# Allegro board RK_NVR_DEMO1_RK3588_LP4XD200P232SD8_V21_20211228_final_lint.brd (continued)
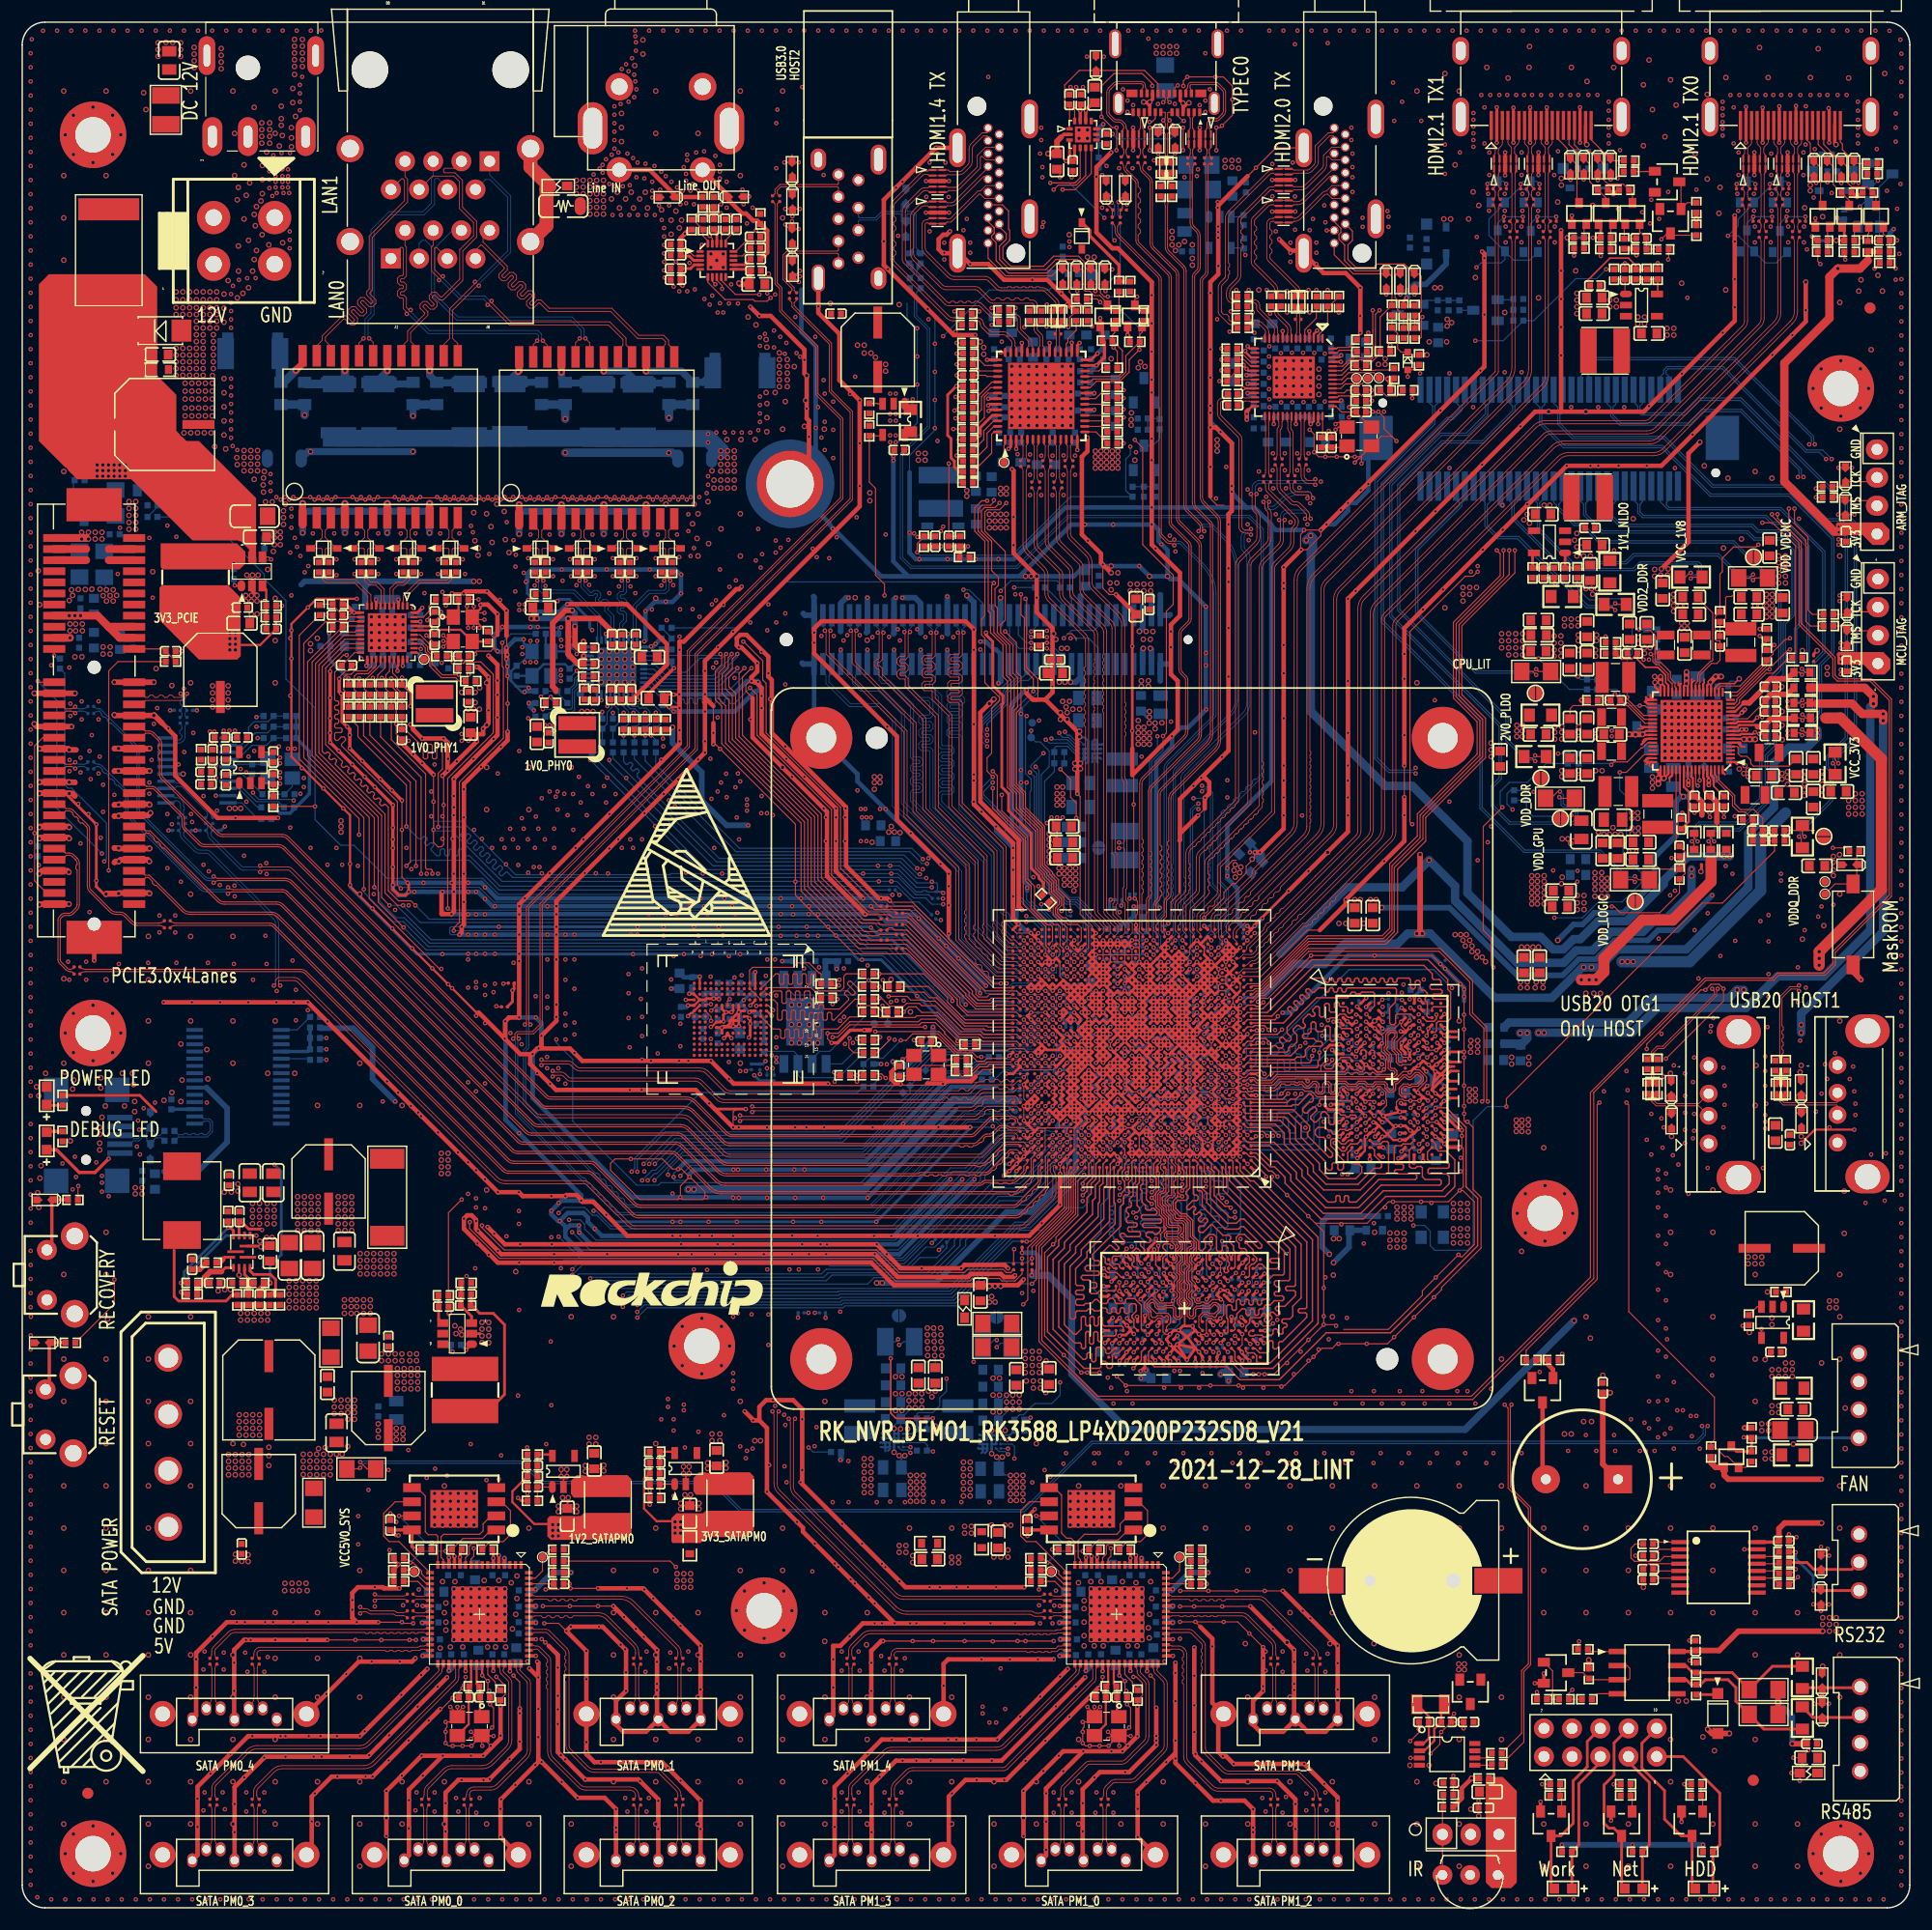
[diagram p0: board, top side]
## Routing (per net, layer and track width the routed paths; a pad name or vN(x,y) marks a point on that pad's centre or on a via; arc(x,y) is an arc through that point) (continued)
HDMI1_TX0P_PORT/EDP1_TX_D0P: length 77.2
  TOP w0.076: C1716.1 135.61,153.45 arc(135.7,153.33) 135.73,153.18 135.73,138.75 arc(135.59,138.08) 135.22,137.51 117.38,119.67 arc(117.12,119.28) 117.02,118.81 117.02,97.78 arc(116.91,97.22) 116.59,96.74 108.62,88.77 arc(108.52,88.61) 108.48,88.43 108.48,88.03 108.77,87.74 U1000.AN4
HDMI1_TX1N_PORT: length 10
  TOP w0.076: J5001.6 134.87,159.25 arc(134.84,159.1) 134.75,158.98 134.72,158.95 134.52,158.74 arc(134.48,158.69) 134.47,158.62 134.47,158.22 arc(134.48,158.17) 134.51,158.12 134.55,158.07 arc(134.6,158) 134.62,157.92 ED5006.6 ED5006.5 134.62,156.68 arc(134.6,156.56) 134.54,156.46 arc(134.51,156.42) 134.5,156.38 134.5,152.44 arc(134.54,152.26) 134.65,152.1 R1713.1 134.57,151.9 arc(134.52,151.82) 134.5,151.73 134.5,151.4 arc(134.53,151.28) 134.6,151.17 C1719.2
HDMI1_TX1N_PORT/EDP1_TX_D1N: length 75.1
  TOP w0.076: U1000.AN5 108.07,87.59 108.07,88.8 arc(108.1,88.94) 108.17,89.05 108.23,89.11 108.3,89.11 108.37,89.18 108.37,89.25 108.68,89.56 108.79,89.56 108.89,89.56 109.05,89.72 109.05,89.93 109.22,90.09 109.43,90.09 109.59,90.26 109.59,90.47 109.75,90.63 109.97,90.63 110.13,90.79 110.13,91.01 110.29,91.17 110.5,91.17 110.66,91.33 110.66,91.54 115.62,96.5 arc(115.92,96.95) 116.03,97.48 116.03,97.8 116.1,97.88 116.1,98.11 116.03,98.18 116.03,98.41 116.1,98.49 116.1,98.72 116.03,98.79 116.03,99.02 116.1,99.1 116.1,99.33 116.03,99.4 116.03,99.63 116.1,99.71 116.1,99.94 116.03,100.01 116.03,100.24 116.1,100.32 116.1,100.54 116.03,100.62 116.03,100.85 116.1,100.93 116.1,101.15 116.03,101.23 116.03,101.46 116.1,101.54 116.1,101.76 116.03,101.84 116.03,102.07 116.1,102.15 116.1,102.37 116.03,102.45 116.03,102.68 116.1,102.75 116.1,102.98 116.03,103.06 116.03,103.29 116.1,103.36 116.1,103.59 116.03,103.67 116.03,103.9 116.1,103.97 116.1,104.2 116.03,104.28 116.03,118.82 arc(116.16,119.49) 116.54,120.07 133.9,137.42 arc(134.35,138.09) 134.5,138.89 134.5,150.17 arc(134.55,150.4) C1719.1
HDMI1_TX1P_PORT: length 9.9
  TOP w0.076: C1718.2 134.13,151.17 arc(134.2,151.28) 134.23,151.4 134.23,151.73 arc(134.21,151.82) 134.16,151.9 R1714.1 134.08,152.1 arc(134.19,152.26) 134.23,152.44 134.23,156.09 134.23,156.31 arc(134.22,156.36) 134.19,156.41 arc(134.13,156.48) 134.12,156.58 ED5006.4 ED5006.7 134.12,157.97 arc(134.12,158.02) 134.15,158.06 arc(134.18,158.12) 134.19,158.18 134.19,158.6 arc(134.17,158.68) 134.12,158.75 133.96,158.92 arc(133.89,159.02) 133.87,159.15 J5001.4
HDMI1_TX1P_PORT/EDP1_TX_D1P: length 74.6
  TOP w0.076: U1000.AM5 108.12,87.13 107.79,87.46 107.79,88.8 arc(107.84,89.04) 107.97,89.25 115.42,96.7 arc(115.66,97.05) 115.75,97.48 115.75,97.48 115.75,118.82 arc(115.9,119.6) 116.35,120.27 133.7,137.62 arc(134.09,138.2) 134.23,138.89 134.23,150.17 arc(134.18,150.4) C1718.1
HDMI1_TX2N_PORT: length 7
  TOP w0.076: C1721.2 133.13,154.06 arc(133.04,154.2) 133,154.37 133,154.46 133.01,154.68 arc(133.02,154.74) 133.06,154.8 R1711.1 133.09,155.08 arc(133.03,155.17) 133.01,155.29 133.01,156.21 133,156.28 arc(133.02,156.35) 133.06,156.41 arc(133.1,156.51) 133.12,156.61 ED5006.2 ED5006.9 133.12,157.94 arc(133.11,157.98) 133.08,158.02 133.03,158.07 arc(133.01,158.1) 133,158.13 133,158.44 arc(133.02,158.54) 133.07,158.62 arc(133.08,158.62) 133.08,158.63 133.23,158.77 arc(133.33,158.93) 133.36,159.11 J5001.3
HDMI1_TX2N_PORT/EDP1_TX_D2N: length 76.2
  TOP w0.076: U1000.AP6 107.41,88.25 107.41,89.22 arc(107.44,89.33) 107.5,89.42 107.58,89.5 107.86,89.5 108.03,89.66 108.03,89.95 108.19,90.11 108.47,90.11 108.64,90.27 108.64,90.56 110.96,92.88 arc(111.06,93.03) 111.1,93.21 111.1,93.31 arc(111.11,93.39) 111.16,93.46 114.4,96.7 arc(114.76,97.24) 114.88,97.86 114.88,119.68 arc(114.98,120.19) 115.28,120.63 132.9,138.25 arc(132.98,138.37) 133,138.51 133,153.18 arc(133.03,153.33) 133.12,153.45 C1721.1
HDMI1_TX2P_PORT: length 7
  TOP w0.076: J5001.1 132.36,159.13 arc(132.4,158.98) 132.48,158.84 132.61,158.72 arc(132.63,158.69) 132.66,158.66 arc(132.71,158.56) 132.73,158.44 132.73,158.21 arc(132.71,158.13) 132.66,158.06 arc(132.63,158.01) 132.62,157.95 ED5006.10 ED5006.1 132.62,156.47 arc(132.62,156.43) 132.65,156.39 arc(132.71,156.31) 132.73,156.2 132.73,156.09 132.73,155.27 arc(132.71,155.17) 132.65,155.09 R1712.1 132.66,154.81 132.67,154.8 arc(132.71,154.74) 132.73,154.68 132.73,154.57 132.73,154.37 arc(132.69,154.2) 132.6,154.06 C1720.2
HDMI1_TX2P_PORT/EDP1_TX_D2P: length 76.6
  TOP w0.076: C1720.1 132.61,153.45 arc(132.7,153.33) 132.73,153.18 132.73,138.51 arc(132.72,138.48) 132.7,138.45 115.08,120.83 arc(114.73,120.3) 114.6,119.68 114.6,97.86 arc(114.5,97.34) 114.2,96.9 110.96,93.66 arc(110.86,93.5) 110.82,93.31 110.82,93.21 arc(110.8,93.14) 110.76,93.08 107.3,89.62 arc(107.18,89.43) 107.14,89.22 107.14,88.12 107.47,87.78 U1000.AN6
HDMI1_TX3N_PORT: length 10
  TOP w0.076: J5001.12 137.87,159.15 arc(137.85,159.05) 137.79,158.97 137.56,158.74 arc(137.55,158.73) 137.54,158.71 arc(137.52,158.67) 137.51,158.62 137.51,158.2 arc(137.53,158.12) 137.58,158.05 137.58,158.05 arc(137.61,158.01) 137.62,157.96 ED5007.6 ED5007.5 137.62,156.64 arc(137.6,156.52) 137.54,156.41 arc(137.51,156.37) 137.51,156.34 137.51,152.34 arc(137.53,152.25) 137.58,152.17 R1709.1 137.63,151.95 arc(137.54,151.82) 137.51,151.65 137.51,151.54 137.51,151.27 C1723.2
HDMI1_TX3N_PORT/EDP1_TX_D3N: length 75.3
  TOP w0.076: U1000.AN3 109.4,87.56 109.4,87.93 arc(109.41,88.02) 109.47,88.1 110.3,88.93 110.4,88.93 110.4,88.93 110.5,88.93 110.66,89.09 110.66,89.19 110.66,89.2 110.66,89.3 110.83,89.46 110.93,89.46 111.03,89.46 111.19,89.62 111.19,89.72 111.19,89.82 111.35,89.98 111.45,89.98 111.55,89.98 111.72,90.15 111.72,90.25 111.72,90.25 111.72,90.35 111.88,90.51 111.98,90.51 112.08,90.51 112.24,90.67 112.24,90.77 112.24,90.77 112.24,90.88 112.4,91.04 112.51,91.04 112.51,91.04 112.61,91.04 112.77,91.2 112.77,91.3 112.77,91.4 112.95,91.58 113.15,91.58 113.36,91.79 113.36,91.99 118.01,96.64 arc(118.33,97.12) 118.44,97.68 118.44,117.94 arc(118.53,118.38) 118.78,118.76 137.11,137.09 arc(137.4,137.53) 137.51,138.04 137.51,150.31 arc(137.53,150.41) 137.58,150.49 C1723.1
HDMI1_TX3P_PORT: length 10
  TOP w0.076: J5001.10 136.87,159.13 arc(136.88,159.07) 136.91,159.01 137.17,158.75 arc(137.19,158.74) 137.2,158.72 arc(137.23,158.66) 137.23,158.6 137.23,158.2 arc(137.22,158.13) 137.19,158.08 arc(137.14,158) 137.12,157.91 ED5007.7 ED5007.4 137.12,156.61 arc(137.13,156.53) 137.18,156.46 arc(137.21,156.41) 137.23,156.34 137.23,152.34 arc(137.21,152.25) 137.16,152.17 R1710.1 137.1,151.95 arc(137.2,151.82) 137.23,151.65 137.23,151.27 C1722.2
HDMI1_TX3P_PORT/EDP1_TX_D3P: length 75.4
  TOP w0.076: U1000.AM3 109.42,87.09 109.12,87.39 109.12,87.93 arc(109.16,88.13) 109.27,88.3 117.81,96.84 arc(118.07,97.22) 118.16,97.68 118.16,117.94 arc(118.27,118.49) 118.58,118.96 136.92,137.29 arc(137.15,137.64) 137.23,138.04 137.23,150.31 arc(137.21,150.41) 137.15,150.49 C1722.1
HDMI1_TX_CEC_PORT: length 7.8
  TOP w0.102: Q5005.3 140.09,153.88 140.09,157.12 139.57,157.64 ED5011.1 139.2,157.92 139.2,158.62 138.36,159.45 J5001.13
HDMI1_TX_HPD_PORT: length 5
  TOP w0.102: J5001.19 141.36,159.38 ED5008.1 143.25,157.5 R5016.2
HDMI1_TX_ON_H: length 117
  TOP w0.102: U1000.AK25 v1(94.8,85.91)
  L4-S1 w0.102: v1(100.86,103.78) 101.17,103.47 101.98,103.47 104.21,105.71 104.21,121.66 104.62,122.06 104.62,123.69 104.11,124.2 104.11,139.64 v1(107.67,143.2)
  L6-S2 w0.102: v1(107.67,143.2) 107.67,143.6 108.99,144.92 120.98,144.92 122.3,146.25 126.46,146.25 128.09,147.87 v1(131.04,147.87) ; v1(90.8,102.35) 91.41,102.35 92.94,103.88 100.25,103.88 100.35,103.78 v1(100.86,103.78)
  BOTTOM w0.089: v1(94.8,85.91) 94.99,85.91 95.3,86.23 95.3,86.23 95.31,86.24 95.58,86.24 95.59,86.23 95.6,86.23 95.88,86.5 95.88,88.03 95.58,88.33 95.58,88.96
  BOTTOM w0.102: Q1704.1 135.84,148.53 134.38,148.53 Q1706.1 ; v1(90.8,102.35) 91.21,101.95 91.21,97.48 91.51,97.17 91.51,93.72 92.33,92.91 92.33,92.19 94.05,90.47 94.87,90.47 95.58,89.76 95.58,88.96 ; Q1707.1 135.4,154.9 134.77,154.9 Q1705.1 133.6,153.66 132.15,152.21 132.15,150.75 Q1706.1 ; Q1706.1 133.6,148.6 133.27,148.28 131.44,148.28 v1(131.04,147.87)
HDMI1_TX_SCL_PORT: length 8.4
  TOP w0.102: J5001.15 139.36,158.97 ED5010.1 140.77,157.65 141.23,157.19 141.23,155.61 R5013.2 142.68,154.16 Q5003.3
HDMI1_TX_SDA_PORT: length 10.5
  TOP w0.102: Q5004.3 145.09,154.55 R5019.2 144.25,155.39 142.88,155.39 142.5,155.77 142.5,157.17 142.04,157.64 ED5009.1 141.14,158.44 140.34,158.44 139.87,158.91 J5001.16
HDMI2_TX0N: length 3.5
  TOP w0.076: U5100.8 114.37,141.89 114.31,141.95 114.31,142.28 arc(114.26,142.53) 114.12,142.74 114.07,142.79 113.22,143.64 arc(113.16,143.74) 113.13,143.85 113.13,143.91 arc(113.16,144.05) 113.24,144.17 R5109.1
HDMI2_TX0N_PORT: length 17.5
  TOP w0.076: R5109.2 113.25,145.46 arc(113.16,145.59) 113.13,145.74 113.13,145.84 arc(113.07,146.14) 112.9,146.39 111.09,148.21 arc(111.04,148.29) 111.02,148.38 111.02,148.48 111.22,148.69 111.22,148.92 111.02,149.12 111.02,149.35 111.22,149.55 111.22,149.78 111.02,149.98 111.02,150.21 111.22,150.41 111.22,150.64 111.02,150.85 111.02,151.08 111.22,151.28 111.22,151.51 111.02,151.71 111.02,152.04 arc(111.04,152.13) 111.09,152.21 112.31,153.42 arc(112.42,153.5) 112.55,153.52 112.76,153.52 112.87,153.41 ED5101.2 ED5101.9 114.46,153.41 114.57,153.52 114.88,153.52 arc(115.24,153.59) 115.54,153.79 117.84,156.1 117.95,156.1 J5100.9
HDMI2_TX0P: length 3.5
  TOP w0.076: R5108.1 112.75,144.17 arc(112.83,144.05) 112.85,143.91 112.85,143.85 arc(112.9,143.63) 113.02,143.44 113.87,142.59 113.92,142.54 arc(114,142.42) 114.03,142.28 114.03,141.95 113.97,141.89 U5100.9
HDMI2_TX0P_PORT: length 17.4
  TOP w0.076: J5100.7 118.22,156.87 115.34,153.99 arc(115.13,153.85) 114.88,153.8 114.57,153.8 114.46,153.91 ED5101.10 ED5101.1 112.87,153.91 112.76,153.8 112.55,153.8 arc(112.31,153.75) 112.11,153.62 112.09,153.61 110.9,152.41 arc(110.78,152.24) 110.74,152.04 110.74,148.38 arc(110.78,148.18) 110.9,148.01 112.71,146.2 arc(112.82,146.03) 112.85,145.84 112.85,145.74 arc(112.82,145.59) 112.74,145.46 R5108.2
HDMI2_TX1N: length 5.1
  TOP w0.076: R5106.1 110.54,145.11 arc(110.71,145) 110.92,144.95 111.01,144.95 arc(111.18,144.92) 111.33,144.82 111.37,144.78 arc(111.47,144.63) 111.5,144.45 111.5,144.21 arc(111.52,144.15) 111.55,144.1 112.96,142.69 arc(113.07,142.52) 113.11,142.32 113.11,141.95 113.17,141.89 U5100.11
HDMI2_TX1N_PORT: length 21.3
  TOP w0.076: R5106.2 109.26,145.02 arc(109.18,144.97) 109.09,144.95 109.06,144.95 arc(108.97,144.97) 108.89,145.03 arc(108.81,145.14) 108.79,145.27 108.79,145.55 arc(108.84,145.82) 108.99,146.04 109.59,146.64 arc(109.75,146.88) 109.8,147.16 109.8,149.48 110.01,149.69 110.01,149.91 109.8,150.12 109.8,150.35 110.01,150.55 110.01,150.78 109.8,150.98 109.8,151.21 110.01,151.41 110.01,151.64 109.8,151.84 109.8,152.14 arc(109.81,152.19) 109.84,152.23 109.88,152.27 112.27,154.65 112.43,154.82 arc(112.48,154.86) 112.55,154.87 112.76,154.87 112.87,154.76 ED5100.5 ED5100.6 114.46,154.76 114.57,154.87 115.29,154.87 arc(115.55,154.92) 115.77,155.06 117.32,156.62 arc(117.47,156.85) 117.52,157.12 117.52,157.79 117.6,157.87 117.71,157.87 118.02,157.56 J5100.6
HDMI2_TX1P: length 4.7
  TOP w0.076: R5105.1 110.54,144.52 arc(110.71,144.63) 110.92,144.68 111.01,144.68 arc(111.07,144.66) 111.13,144.62 111.17,144.59 arc(111.21,144.52) 111.22,144.45 111.22,144.21 arc(111.26,144.04) 111.35,143.9 112.76,142.5 arc(112.81,142.42) 112.83,142.32 112.83,141.95 112.77,141.89 U5100.12
HDMI2_TX1P_PORT: length 21.8
  TOP w0.076: J5100.4 118,158.71 117.24,157.96 117.24,157.12 arc(117.21,156.95) 117.12,156.81 115.57,155.26 arc(115.44,155.18) 115.29,155.15 114.57,155.15 114.46,155.26 ED5100.7 ED5100.4 112.87,155.26 112.76,155.15 112.55,155.15 arc(112.38,155.11) 112.23,155.02 112.07,154.85 109.68,152.46 109.64,152.42 arc(109.55,152.29) 109.52,152.14 109.52,147.16 arc(109.49,146.99) 109.39,146.84 108.79,146.24 arc(108.58,145.92) 108.51,145.55 108.51,145.27 arc(108.55,145.03) 108.69,144.83 arc(108.86,144.71) 109.06,144.68 109.09,144.68 arc(109.18,144.66) 109.26,144.61 R5105.2
HDMI2_TX2N: length 3.2
  TOP w0.076: U5100.13 112.37,141.89 112.31,141.95 112.31,142.08 arc(112.27,142.28) 112.16,142.45 112.13,142.48 111.74,142.87 arc(111.59,142.97) 111.43,143 111.41,143 111.31,143.1 111.08,143.1 110.98,143 110.92,143 arc(110.71,143.04) 110.54,143.16 R5104.1
HDMI2_TX2N_PORT: length 25
  TOP w0.076: J5100.3 118.22,159.65 118.14,159.73 117.8,159.73 116.79,158.72 116.79,157.41 arc(116.74,157.15) 116.59,156.93 116.18,156.53 arc(116.01,156.41) 115.8,156.37 114.57,156.37 114.46,156.26 ED5100.9 ED5100.2 112.87,156.26 112.76,156.37 112.65,156.37 arc(112.52,156.34) 112.41,156.27 108.94,152.8 108.9,152.76 arc(108.74,152.52) 108.68,152.24 108.68,148.28 108.79,148.18 108.79,147.95 108.68,147.85 108.68,147.62 108.79,147.52 108.79,147.29 108.68,147.19 108.68,147.06 arc(108.65,146.87) 108.54,146.71 108.47,146.64 108.18,146.35 arc(108.08,146.21) 108.05,146.04 108.05,143.89 arc(108.06,143.84) 108.09,143.79 108.25,143.63 108.56,143.63 108.72,143.47 108.72,143.16 108.8,143.08 arc(108.89,143.02) 108.99,143 arc(109.18,143.04) 109.33,143.14 R5104.2
HDMI2_TX2P: length 2.7
  TOP w0.076: U5100.14 111.97,141.89 112.03,141.95 112.03,142.08 arc(112.01,142.17) 111.96,142.25 111.54,142.67 arc(111.49,142.71) 111.43,142.72 110.92,142.72 arc(110.71,142.68) 110.54,142.56 R5103.1
HDMI2_TX2P_PORT: length 25.6
  TOP w0.076: J5100.1 118.22,160.08 118.14,160.01 117.68,160.01 116.51,158.83 116.51,157.41 arc(116.48,157.26) 116.39,157.13 115.99,156.72 arc(115.9,156.67) 115.8,156.65 114.57,156.65 114.46,156.76 ED5100.10 ED5100.1 112.87,156.76 112.76,156.65 112.65,156.65 arc(112.41,156.6) 112.21,156.47 108.74,153 108.7,152.96 arc(108.48,152.63) 108.41,152.24 108.41,147.06 arc(108.39,146.98) 108.34,146.91 108.27,146.84 107.98,146.54 arc(107.82,146.31) 107.77,146.04 107.77,143.89 arc(107.8,143.73) 107.89,143.6 108.69,142.8 arc(108.77,142.74) 108.87,142.72 108.99,142.72 arc(109.17,142.69) 109.32,142.58 R5103.2
HDMI2_TX_CEC: length 4.6
  TOP w0.102: U5100.2 116.77,141.78 117.63,142.63 R5116.1 117.74,144.35 R5136.1
HDMI2_TX_HPD: length 6.2
  TOP w0.102: R5138.1 123.47,138.63 121.94,138.63 121.9,138.59 120.64,138.59 R5112.1 119.77,139.04 118.89,138.16 U5100.50
HDMI2_TX_HPD_PORT: length 16.2
  TOP w0.102: R5112.2 121.29,139.04 122.36,140.11 R5114.1 122.36,143.4 R5137.2 123.42,147.06 123.19,147.29 ED5102.1 119.94,147.29 118.22,149 J5100.19
HDMI2_TX_I2S0: length 2.3
  TOP w0.102: R5118.1 120.13,140.4 118.69,140.4 118.45,140.16 U5100.55
HDMI2_TX_SCL: length 29.1
  TOP w0.102: v1(121.69,144.01) 121.69,140.04 121.4,139.74 119.76,139.74 118.98,138.96 U5100.52 ; v1(108.05,140.56) R5102.2 ; v1(124.94,142.99) 124.94,141.88 124.57,141.5 R5124.1
  L4-S1 w0.102: v1(121.69,144.01) 120.57,142.89 110.51,142.89 108.18,140.56 v1(108.05,140.56)
  L6-S2 w0.102: v1(121.69,144.01) 122.1,143.6 124.33,143.6 v1(124.94,142.99)
HDMI2_TX_SCL_PORT: length 15.8
  TOP w0.102: J5100.15 118.22,151.99 118.82,151.39 118.82,151.02 118.64,150.84 118.64,150.41 119.15,149.9 119.15,148.48 120.06,147.57 122.2,147.57 122.5,147.87 123.72,147.87 124.16,147.43 ED5104.1 123.82,147.29 123.7,147.16 123.7,145.15 123.92,144.92 123.92,144.07 R5123.2 R5124.2
HDMI2_TX_SDA: length 32.1
  TOP w0.102: U5100.51 118.88,138.56 119.86,139.54 121.48,139.54 121.93,139.99 121.93,143.64 v1(122.3,144.01) ; v1(108.05,139.55) R5107.2 ; R5127.1 125.99,141.5 126.06,141.57 126.06,143.3 v1(126.16,143.4)
  L4-S1 w0.102: v1(122.3,144.01) 120.98,142.69 110.72,142.69 108.05,140.03 v1(108.05,139.55)
  L6-S2 w0.102: v1(122.3,144.01) 125.55,144.01 v1(126.16,143.4)
HDMI2_TX_SDA_PORT: length 16.1
  TOP w0.102: R5127.2 R5125.2 125.68,143.53 126.06,143.91 126.06,147.06 125.83,147.29 ED5103.1 124.54,148.18 122.1,148.18 121.79,147.87 120.17,147.87 119.45,148.58 119.45,149.9 119.86,150.31 119.86,151.14 J5100.16
HDMI2_TX_WS: length 2.5
  TOP w0.102: U5100.56 118.44,140.56 118.54,140.66 119.55,140.66 R5119.1
HDMI2_TXCN: length 2.8
  TOP w0.076: U5100.6 115.17,141.89 115.11,141.95 115.11,142.93 arc(115.14,143.07) C5103.2 arc(115.14,143.32) 115.11,143.46 115.11,143.85 arc(115.15,144.02) L5100.4
HDMI2_TXCN_PORT: length 16.4
  TOP w0.076: J5100.12 118.01,154.09 117.63,154.47 117.52,154.47 arc(117.42,154.45) 117.33,154.4 115.16,152.22 arc(114.94,152.07) 114.68,152.02 114.57,152.02 114.46,151.91 ED5101.6 ED5101.5 112.87,151.91 112.76,152.02 112.65,152.02 arc(112.49,151.95) 112.42,151.79 112.42,151.34 112.61,151.14 112.61,150.91 112.42,150.72 112.42,150.49 112.61,150.3 112.61,150.07 112.42,149.88 112.42,149.65 112.61,149.45 112.61,149.23 112.42,149.03 112.42,148.79 arc(112.44,148.71) 112.49,148.63 114.88,146.24 114.99,146.12 arc(115.08,145.99) 115.11,145.84 arc(115.16,145.59) 115.3,145.37 R5111.2
HDMI2_TXCP: length 2.8
  TOP w0.076: U5100.7 114.77,141.89 114.83,141.95 114.83,142.93 arc(114.8,143.07) C5103.1 arc(114.8,143.32) 114.83,143.46 114.83,143.85 arc(114.8,144.02) L5100.2
HDMI2_TXCP_PORT: length 16.4
  TOP w0.076: J5100.10 118.01,155.25 117.52,154.75 arc(117.31,154.71) 117.13,154.59 114.96,152.42 arc(114.83,152.33) 114.68,152.3 114.57,152.3 114.46,152.41 ED5101.7 ED5101.4 112.87,152.41 112.76,152.3 112.65,152.3 arc(112.29,152.15) 112.14,151.79 112.14,148.79 arc(112.18,148.6) 112.29,148.43 114.68,146.04 114.79,145.93 arc(114.82,145.89) 114.83,145.84 114.83,145.69 arc(114.81,145.57) 114.75,145.48 R5110.2
HDMI3_TX0N: length 3.2
  TOP w0.076: R5518.1 91.59,142.82 arc(91.49,142.67) 91.45,142.49 91.45,142.33 arc(91.47,142.25) 91.51,142.18 91.82,141.88 arc(91.92,141.72) 91.96,141.54 91.96,140.76 92.07,140.65 U5500.35
HDMI3_TX0N_PORT: length 26.3
  TOP w0.076: R5518.2 91.56,144.21 arc(91.48,144.33) 91.45,144.48 arc(91.32,144.79) 91.01,144.92 90.81,144.92 90.61,145.13 90.38,145.13 90.18,144.92 89.95,144.92 89.75,145.13 89.52,145.13 89.32,144.92 89.09,144.92 88.88,145.13 88.65,145.13 88.45,144.92 88.22,144.92 88.02,145.13 87.79,145.13 87.59,144.92 87.42,144.92 arc(87.35,144.94) 87.3,144.98 86.43,145.84 86.31,145.96 arc(86.11,146.1) 85.88,146.14 83.28,146.14 arc(83.09,146.18) 82.92,146.3 80.52,148.7 arc(80.37,148.92) 80.31,149.19 80.31,152.44 arc(80.35,152.61) 80.44,152.75 80.95,153.26 arc(81.13,153.38) 81.35,153.42 81.57,153.42 81.68,153.31 ED5501.2 ED5501.9 83.27,153.31 83.38,153.42 83.69,153.42 arc(83.95,153.47) 84.17,153.62 86.65,156.1 86.76,156.1 J5500.9
HDMI3_TX0P: length 3.2
  TOP w0.076: U5500.36 91.57,140.65 91.68,140.76 91.68,141.54 arc(91.66,141.61) 91.62,141.68 91.32,141.98 arc(91.21,142.14) 91.17,142.33 91.17,142.49 arc(91.13,142.67) 91.03,142.82 R5517.1
HDMI3_TX0P_PORT: length 26.3
  TOP w0.076: R5517.2 91.06,144.21 arc(91.14,144.33) 91.17,144.48 arc(91.12,144.6) 91.01,144.65 87.42,144.65 arc(87.25,144.68) 87.1,144.78 86.24,145.64 86.11,145.77 arc(86,145.84) 85.88,145.86 83.28,145.86 arc(82.98,145.92) 82.72,146.1 80.32,148.5 arc(80.11,148.82) 80.03,149.19 80.03,152.44 arc(80.09,152.71) 80.24,152.95 80.75,153.45 arc(81.02,153.64) 81.35,153.7 81.57,153.7 81.68,153.81 ED5501.1 ED5501.10 83.27,153.81 83.38,153.7 83.69,153.7 arc(83.84,153.73) 83.97,153.82 87.03,156.87 J5500.7
HDMI3_TX1N: length 4.8
  TOP w0.076: U5500.37 91.07,140.65 90.96,140.76 90.96,141.17 arc(90.93,141.3) 90.85,141.42 90.01,142.26 arc(89.96,142.34) 89.94,142.44 89.94,143.2 arc(89.91,143.34) 89.83,143.45 89.79,143.5 arc(89.63,143.61) 89.45,143.64 89.38,143.64 arc(89.29,143.66) 89.22,143.71 R5512.1
HDMI3_TX1N_PORT: length 26.8
  TOP w0.076: J5500.6 86.83,157.56 86.52,157.87 86.41,157.87 86.33,157.79 86.33,156.82 84.5,154.99 arc(84.29,154.85) 84.05,154.8 83.88,154.8 83.88,154.81 83.49,154.81 83.34,154.66 ED5500.6 ED5500.5 81.72,154.66 81.6,154.78 81.35,154.78 arc(81.21,154.75) 81.09,154.67 81.07,154.65 79.79,153.37 arc(79.63,153.13) 79.58,152.85 79.58,148.63 arc(79.6,148.53) 79.65,148.44 83.34,144.76 arc(83.41,144.71) 83.49,144.7 83.6,144.7 83.72,144.82 83.95,144.82 84.08,144.7 84.31,144.7 84.44,144.82 84.66,144.82 84.79,144.7 85.02,144.7 85.15,144.82 85.38,144.82 85.5,144.7 85.73,144.7 85.86,144.82 86.09,144.82 86.21,144.7 86.36,144.7 87.35,143.71 arc(87.42,143.66) 87.5,143.64 arc(87.64,143.67) 87.75,143.74 R5512.2
HDMI3_TX1P: length 4.4
  TOP w0.076: U5500.38 90.57,140.65 90.68,140.76 90.68,141.17 arc(90.67,141.2) 90.66,141.22 89.81,142.06 arc(89.7,142.23) 89.66,142.44 89.66,143.2 arc(89.65,143.23) 89.64,143.26 89.59,143.3 arc(89.53,143.35) 89.45,143.36 89.38,143.36 arc(89.29,143.34) 89.22,143.29 R5515.1
HDMI3_TX1P_PORT: length 27.3
  TOP w0.076: R5515.2 87.75,143.26 arc(87.64,143.34) 87.5,143.36 arc(87.31,143.4) 87.15,143.51 86.24,144.42 83.49,144.42 arc(83.3,144.45) 83.14,144.56 79.46,148.24 arc(79.34,148.42) 79.3,148.63 79.3,152.85 arc(79.37,153.24) 79.6,153.57 80.88,154.85 80.89,154.87 arc(81.11,155.01) 81.35,155.06 81.63,155.06 81.73,155.16 ED5500.4 ED5500.7 83.32,155.16 83.39,155.08 84,155.08 84.05,155.08 arc(84.19,155.11) 84.3,155.19 86.05,156.94 86.05,157.96 86.81,158.71 J5500.4
HDMI3_TX2N: length 6.1
  TOP w0.076: U5500.40 89.57,140.65 89.46,140.77 89.46,141.06 arc(89.42,141.27) 89.3,141.45 88.87,141.88 arc(88.65,142.03) 88.38,142.08 87.35,142.08 arc(87.24,142.1) 87.16,142.16 86.68,142.63 arc(86.63,142.71) 86.61,142.8 arc(86.57,142.99) 86.47,143.15 86.43,143.19 arc(86.27,143.3) 86.08,143.34 86.03,143.34 arc(85.94,143.35) 85.86,143.4 R5516.1
HDMI3_TX2N_PORT: length 26.4
  TOP w0.076: R5516.2 84.51,143.55 arc(84.27,143.39) 84,143.34 83.89,143.34 arc(83.67,143.38) 83.49,143.5 78.61,148.38 arc(78.55,148.46) 78.53,148.56 78.53,148.88 78.71,149.06 78.71,149.29 78.53,149.47 78.53,149.7 78.71,149.87 78.71,150.1 78.53,150.28 78.53,151.11 78.71,151.28 78.71,151.51 78.53,151.69 78.53,151.92 78.71,152.1 78.71,152.32 78.53,152.5 78.53,153.36 arc(78.57,153.56) 78.69,153.72 81.06,156.09 81.14,156.18 arc(81.24,156.24) 81.35,156.27 81.57,156.27 81.68,156.16 ED5500.2 ED5500.9 83.25,156.16 83.32,156.23 84.42,156.23 arc(84.67,156.28) 84.89,156.42 85.4,156.93 arc(85.54,157.15) 85.6,157.41 85.6,158.54 arc(85.63,158.7) 85.72,158.84 86.61,159.73 86.95,159.73 87.03,159.65 J5500.3
HDMI3_TX2P: length 5.6
  TOP w0.076: U5500.41 89.07,140.65 89.18,140.77 89.18,141.06 arc(89.16,141.17) 89.1,141.25 88.67,141.68 arc(88.54,141.77) 88.38,141.8 87.35,141.8 arc(87.14,141.84) 86.96,141.96 86.54,142.38 86.49,142.43 arc(86.37,142.6) 86.33,142.81 arc(86.32,142.89) 86.27,142.95 86.23,143 arc(86.16,143.04) 86.08,143.06 86.03,143.06 arc(85.94,143.04) 85.86,142.99 85.85,142.97 R5514.1
HDMI3_TX2P_PORT: length 26.7
  TOP w0.076: R5514.2 84.51,142.85 arc(84.27,143) 84,143.06 83.89,143.06 arc(83.56,143.12) 83.29,143.3 78.41,148.18 arc(78.3,148.36) 78.26,148.56 78.26,153.36 arc(78.32,153.66) 78.49,153.92 80.86,156.29 80.94,156.37 arc(81.13,156.5) 81.35,156.55 81.35,156.55 81.57,156.55 81.68,156.66 ED5500.1 ED5500.10 83.44,156.66 83.59,156.51 84.42,156.51 arc(84.57,156.54) 84.69,156.62 85.2,157.13 arc(85.29,157.26) 85.32,157.41 85.32,158.54 arc(85.37,158.81) 85.52,159.04 86.49,160.01 86.95,160.01 87.03,160.08 J5500.1
HDMI3_TX_CEC: length 26.7
  TOP w0.102: J5500.13 88.31,153.51 88.87,152.95 88.87,151.33 88.97,151.22 88.97,150.31 88.36,149.7 88.36,148.68 89.08,147.97 92.02,147.97 92.94,148.89 95.17,148.89 95.78,148.28 96.96,148.28 ED5505.1 v1(98.22,147.69) ; v1(98.32,140.66) 98.67,140.31 R5538.2
  L4-S1 w0.102: v1(98.22,147.69) 98.32,147.59 v1(98.32,140.66)
HDMI3_TX_HPD: length 14.7
  TOP w0.102: v1(100.66,140.45) 99.74,139.54 99.74,138.44 98.91,137.61 96.8,137.61 96.23,137.04 U5500.23 ; v1(97.13,144.73) 96.84,145.03 R5528.1
  BOTTOM w0.102: v1(97.13,144.73) 97.45,144.42 98.63,144.42 100.66,142.38 v1(100.66,140.45)
HDMI3_TX_HPD_PORT: length 13.8
  TOP w0.102: R5533.1 95.03,144.91 R5528.2 94.97,145.03 94.36,145.64 94.36,147.36 94.03,147.69 ED5502.1 93.37,147.69 92.78,147.11 88.61,147.11 87.03,148.69 J5500.19
HDMI3_TX_SCL: length 8.7
  TOP w0.102: U5500.25 98.75,138.04 99.13,138.42 99.13,140.37 R5542.2 98.23,141.79 98.43,141.99 Q5501.2 98.52,142.64 R5544.1
HDMI3_TX_SCL_PORT: length 20.7
  TOP w0.102: J5500.15 87.03,152 87.55,151.48 87.55,151.46 87.58,151.43 87.58,150.98 87.55,150.95 87.55,150.92 87.35,150.72 87.35,150.51 87.75,150.11 87.75,148.48 88.87,147.36 92.33,147.36 93.24,148.28 94.42,148.28 ED5504.1 95.45,147.69 95.68,147.46 95.68,145.84 95.78,145.74 96.19,145.74 96.59,145.33 97.1,145.33 97.78,144.65 Q5501.3 98.28,143.95 R5544.2 98.83,144.26 R5543.2
HDMI3_TX_SDA: length 9.4
  TOP w0.102: R5550.1 100.9,142.89 Q5502.2 100.9,142.02 100.7,141.82 R5547.2 99.44,139.9 99.44,138.44 98.81,137.81 96.49,137.81 96.22,137.54 U5500.24
HDMI3_TX_SDA_PORT: length 21.8
  TOP w0.102: v1(97.81,145.23) 97.51,145.23 97.15,145.58 97.15,145.79 96.9,146.04 96.9,147.36 96.57,147.69 ED5503.1 95.96,147.69 95.07,148.58 93.14,148.58 92.23,147.67 88.97,147.67 88.06,148.58 88.06,149.8 88.67,150.41 88.67,150.92 88.03,151.56 J5500.16 ; R5550.2 100.75,143.95 Q5502.3 100.25,145.03 v1(100.45,145.23) 100.31,145.23 R5548.2
  BOTTOM w0.102: v1(97.81,145.23) v1(100.45,145.23)
